# Allegro board 6089-119-RevB_08.brd (continued)
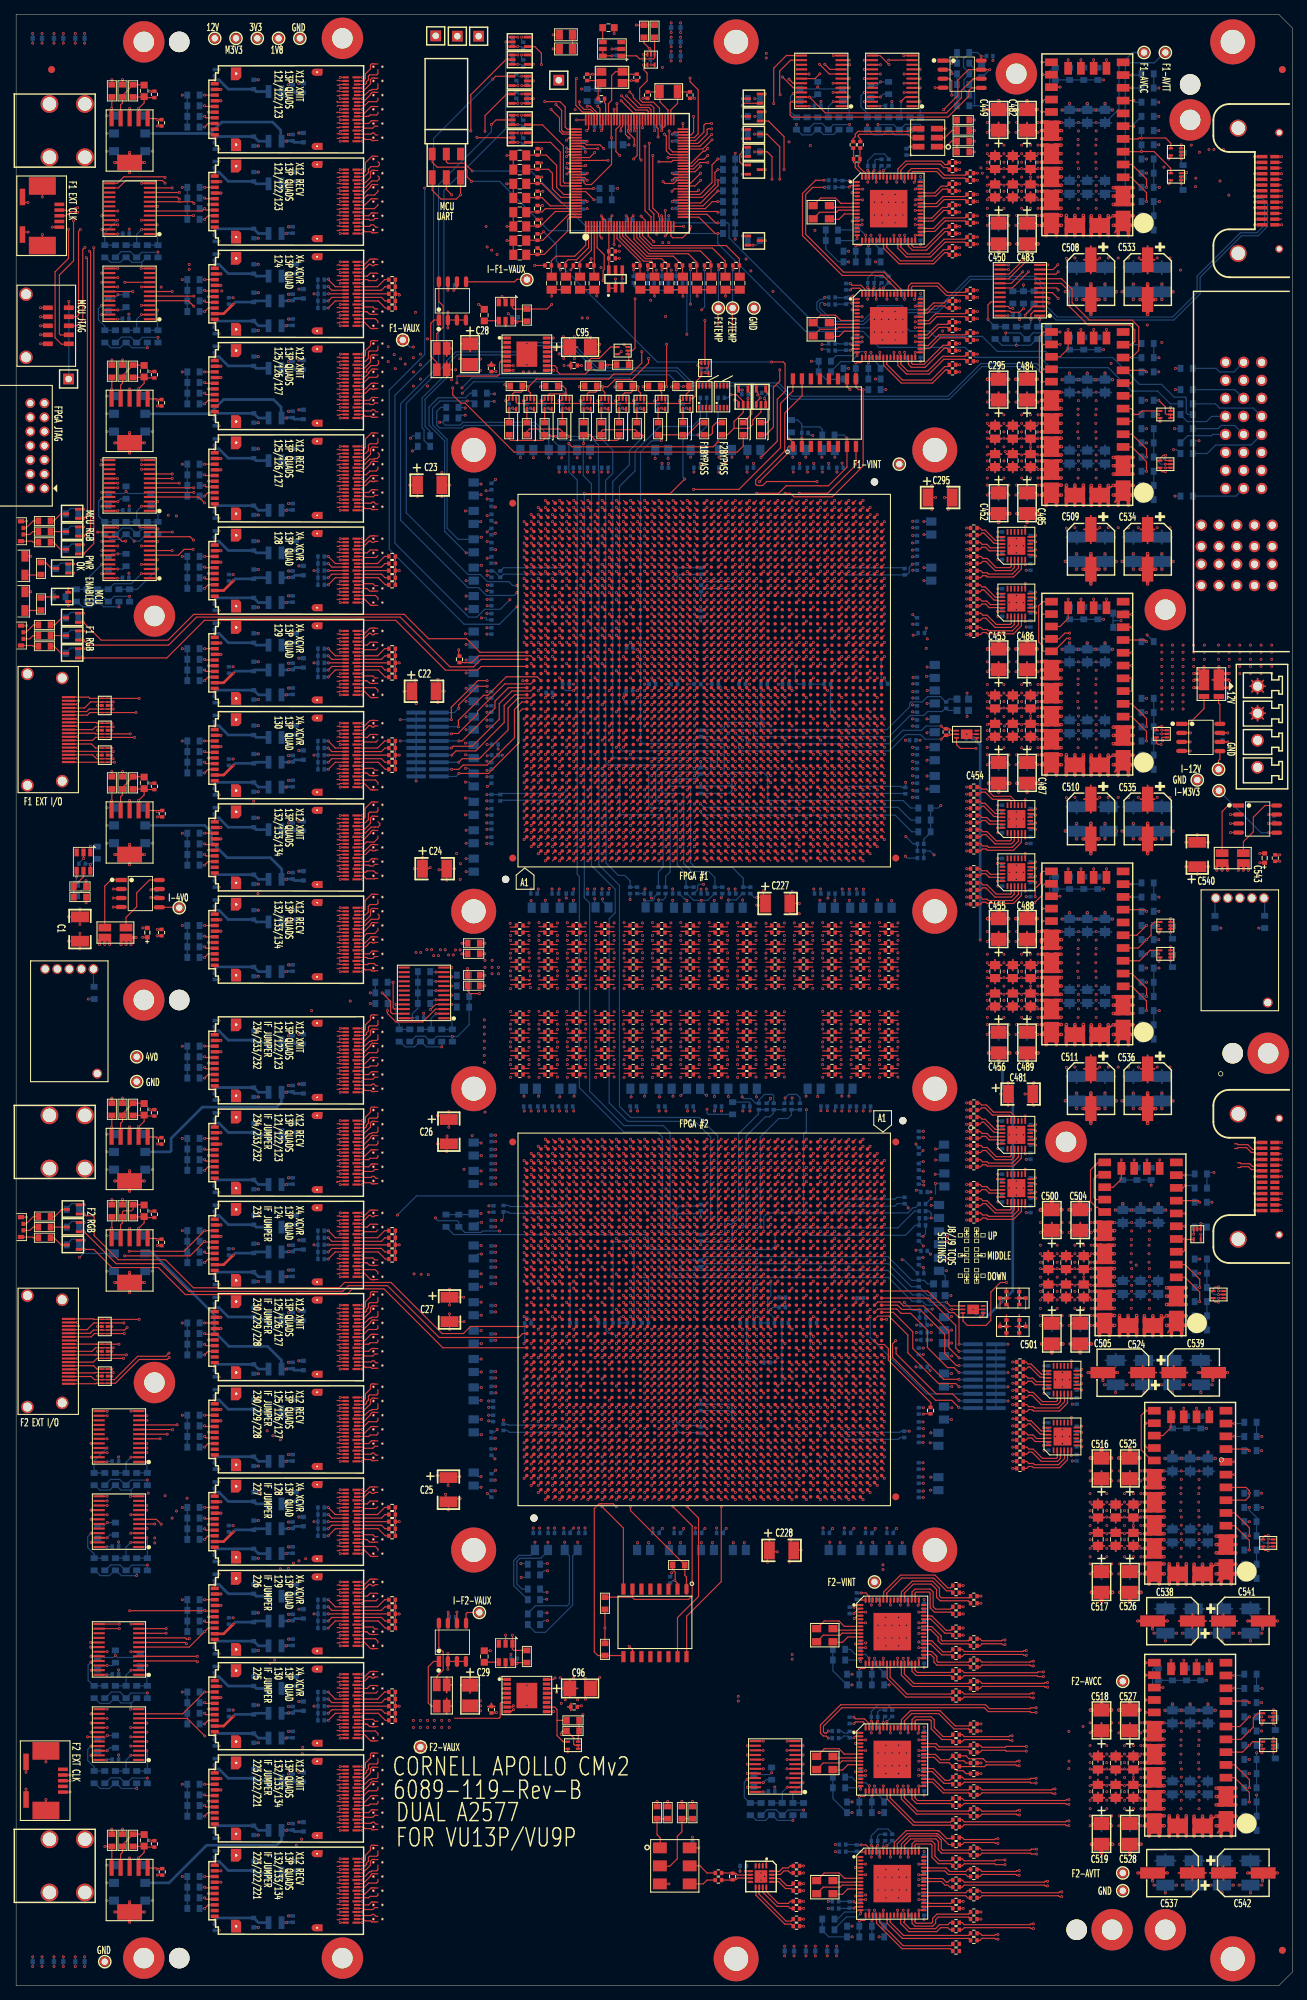
[diagram p0: board, top side]
## Routing (per net, layer and track width the routed paths; a pad name or vN(x,y) marks a point on that pad's centre or on a via; arc(x,y) is an arc through that point) (continued)
; VA19.3 50.04,227.72 ; 50.04,229.72 VA18.3 ; VA18.3 50.04,229.08 ; VA18.3 49.95,229.21 ; VA18.3 49.98,229.4 ; VA18.3 49.95,229.59 ; VA18.3 50.18,228.99 ; VA18.3 50.37,229.02 ; VA18.3 50.37,229.78 ; VA2.4 52.02,268.4 ; VA2.4 52.05,268.21 ; VA2.4 51.96,268.72 ; VA2.4 51.63,268.78 ; VA2.4 51.82,268.81 ; VA2.4 52.05,268.59 ; VA2.4 51.63,268.02 ; VA2.4 51.96,268.08 ; 49.95,208.21 VA28.3 ; VA28.3 50.37,208.02 ; VA28.3 50.37,208.78 ; VA28.3 50.18,207.99 ; VA28.3 50.04,208.08 ; VA28.3 49.98,208.4 ; VA28.3 50.04,208.72 ; VA28.3 49.95,208.59 ; 50.04,89.08 VA73.3 ; VA73.3 50.04,89.72 ; VA73.3 50.37,89.02 ; VA73.3 50.37,89.78 ; VA73.3 50.18,88.99 ; VA73.3 49.95,89.59 ; VA73.3 49.95,89.21 ; VA73.3 49.98,89.4 ; 50.37,36.52 VA91.4 ; VA91.4 49.98,36.9 ; VA91.4 50.18,36.49 ; VA91.4 49.95,37.09 ; VA91.4 50.04,36.58 ; VA91.4 50.37,37.28 ; VA91.4 49.95,36.71 ; VA91.4 50.04,37.22 ; 49.98,130.4 VA56.3 ; VA56.3 49.95,130.21 ; VA56.3 50.37,130.78 ; VA56.3 49.95,130.59 ; VA56.3 50.04,130.08 ; VA56.3 50.18,129.99 ; VA56.3 50.04,130.72 ; VA56.3 50.37,130.02 ; 50.04,99.58 VA68.4 ; VA68.4 50.18,99.49 ; VA68.4 50.37,99.52 ; VA68.4 49.95,100.09 ; VA68.4 49.95,99.71 ; VA68.4 50.04,100.22 ; VA68.4 50.37,100.28 ; VA68.4 49.98,99.9 ; VA9.4 51.96,253.08 ; VA9.4 52.05,253.21 ; VA9.4 52.02,253.4 ; VA9.4 51.63,253.02 ; VA9.4 51.96,253.72 ; VA9.4 52.05,253.59 ; VA9.4 51.82,253.81 ; VA9.4 51.63,253.78 ; 49.95,221.21 VA22.3 ; VA22.3 49.98,221.4 ; VA22.3 50.18,220.99 ; VA22.3 50.04,221.72 ; VA22.3 50.37,221.02 ; VA22.3 50.04,221.08 ; VA22.3 49.95,221.59 ; VA22.3 50.37,221.78 ; 50.37,32.02 VA93.3 ; VA93.3 50.37,32.78 ; VA93.3 50.18,31.99 ; VA93.3 49.95,32.21 ; VA93.3 49.98,32.4 ; VA93.3 50.04,32.08 ; VA93.3 50.04,32.72 ; VA93.3 49.95,32.59 ; VA57.4 51.82,128.81 ; VA57.4 52.02,128.4 ; VA57.4 51.96,128.72 ; VA57.4 52.05,128.59 ; VA57.4 51.63,128.78 ; VA57.4 51.63,128.02 ; VA57.4 51.96,128.08 ; VA57.4 52.05,128.21 ; VA42.4 51.96,164.72 ; VA42.4 52.05,164.21 ; VA42.4 51.96,164.08 ; VA42.4 51.63,164.02 ; VA42.4 52.02,164.4 ; VA42.4 52.05,164.59 ; VA42.4 51.63,164.78 ; VA42.4 51.82,164.81 ; 51.63,229.02 VA18.4 ; VA18.4 52.05,229.59 ; VA18.4 51.96,229.08 ; VA18.4 51.96,229.72 ; VA18.4 51.63,229.78 ; VA18.4 52.02,229.4 ; VA18.4 52.05,229.21 ; VA18.4 51.82,229.81 ; 50.37,22.02 VA98.3 ; VA98.3 50.04,22.72 ; VA98.3 49.95,22.59 ; VA98.3 49.95,22.21 ; VA98.3 49.98,22.4 ; VA98.3 50.18,21.99 ; VA98.3 50.37,22.78 ; VA98.3 50.04,22.08 ; VA43.3 50.37,162.78 ; VA43.3 50.18,161.99 ; VA43.3 50.37,162.02 ; VA43.3 49.95,162.21 ; VA43.3 49.95,162.59 ; VA43.3 49.98,162.4 ; VA43.3 50.04,162.72 ; VA43.3 50.04,162.08 ; 49.98,233.9 VA16.4 ; VA16.4 49.95,234.09 ; VA16.4 50.37,234.28 ; VA16.4 50.04,234.22 ; VA16.4 50.04,233.58 ; VA16.4 50.18,233.49 ; VA16.4 50.37,233.52 ; VA16.4 49.95,233.71 ; 50.04,216.72 VA24.3 ; VA24.3 50.04,216.08 ; VA24.3 49.98,216.4 ; VA24.3 50.37,216.02 ; VA24.3 50.37,216.78 ; VA24.3 49.95,216.21 ; VA24.3 50.18,215.99 ; VA24.3 49.95,216.59 ; VA33.4 51.96,190.58 ; VA33.4 52.02,190.9 ; VA33.4 51.63,191.28 ; VA33.4 52.05,190.71 ; VA33.4 51.63,190.52 ; VA33.4 51.96,191.22 ; VA33.4 51.82,191.31 ; VA33.4 52.05,191.09 ; VA29.4 51.96,204.22 ; VA29.4 52.05,203.71 ; VA29.4 52.05,204.09 ; VA29.4 51.82,204.31 ; VA29.4 51.63,203.52 ; VA29.4 51.63,204.28 ; VA29.4 51.96,203.58 ; VA29.4 52.02,203.9 ; VA99.4 52.05,19.21 ; VA99.4 51.96,19.08 ; VA99.4 52.02,19.4 ; VA99.4 51.63,19.78 ; VA99.4 51.82,19.81 ; VA99.4 52.05,19.59 ; VA99.4 51.96,19.72 ; VA99.4 51.63,19.02 ; VA104.4 51.82,9.81 ; VA104.4 51.63,9.78 ; VA104.4 51.63,9.02 ; VA104.4 52.05,9.59 ; VA104.4 52.05,9.21 ; VA104.4 51.96,9.08 ; VA104.4 52.02,9.4 ; VA104.4 51.96,9.72 ; VA16.3 51.96,233.58 ; VA16.3 51.96,234.22 ; VA16.3 52.02,233.9 ; VA16.3 51.63,234.28 ; VA16.3 51.63,233.52 ; VA16.3 52.05,234.09 ; VA16.3 51.82,234.31 ; VA16.3 52.05,233.71 ; VA21.3 50.37,223.78 ; VA21.3 49.95,223.59 ; VA21.3 50.04,223.08 ; VA21.3 49.95,223.21 ; VA21.3 50.04,223.72 ; VA21.3 49.98,223.4 ; VA21.3 50.18,222.99 ; VA21.3 50.37,223.02 ; VA40.3 51.96,168.58 ; VA40.3 52.05,169.09 ; VA40.3 52.05,168.71 ; VA40.3 51.63,169.28 ; VA40.3 52.02,168.9 ; VA40.3 51.82,169.31 ; VA40.3 51.63,168.52 ; VA40.3 51.96,169.22 ; 49.95,19.21 VA99.3 ; VA99.3 50.04,19.08 ; VA99.3 50.04,19.72 ; VA99.3 50.37,19.78 ; VA99.3 49.98,19.4 ; VA99.3 49.95,19.59 ; VA99.3 50.37,19.02 ; VA99.3 50.18,18.99 ; 5.43,184.26 J5.22 ; J5.22 7.31,185.07 ; J5.22 6.5,185.33 ; J5.22 6.5,183.2 ; J5.22 7.31,183.46 ; J5.22 5.69,185.07 ; J5.22 5.69,183.46 ; J5.22 7.57,184.26 ; 49.95,204.09 VA29.3 ; VA29.3 50.37,204.28 ; VA29.3 50.04,203.58 ; VA29.3 50.04,204.22 ; VA29.3 50.37,203.52 ; VA29.3 50.18,203.49 ; VA29.3 49.98,203.9 ; VA29.3 49.95,203.71 ; VA61.4 52.05,119.21 ; VA61.4 51.82,119.81 ; VA61.4 52.05,119.59 ; VA61.4 52.02,119.4 ; VA61.4 51.96,119.72 ; VA61.4 51.63,119.02 ; VA61.4 51.63,119.78 ; VA61.4 51.96,119.08 ; 49.95,134.21 VA54.3 ; VA54.3 50.18,133.99 ; VA54.3 50.04,134.08 ; VA54.3 50.04,134.72 ; VA54.3 49.98,134.4 ; VA54.3 50.37,134.78 ; VA54.3 49.95,134.59 ; VA54.3 50.37,134.02 ; 49.98,106.9 VA66.3 ; VA66.3 50.04,107.22 ; VA66.3 49.95,107.09 ; VA66.3 50.04,106.58 ; VA66.3 50.37,106.52 ; VA66.3 50.18,106.49 ; VA66.3 50.37,107.28 ; VA66.3 49.95,106.71 ; VA89.4 52.05,44.09 ; VA89.4 51.96,43.58 ; VA89.4 51.63,43.52 ; VA89.4 51.96,44.22 ; VA89.4 51.82,44.31 ; VA89.4 52.02,43.9 ; VA89.4 51.63,44.28 ; VA89.4 52.05,43.71 ; VA17.4 51.96,231.72 ; VA17.4 51.63,231.02 ; VA17.4 51.82,231.81 ; VA17.4 52.05,231.59 ; VA17.4 51.96,231.08 ; VA17.4 51.63,231.78 ; VA17.4 52.02,231.4 ; VA17.4 52.05,231.21 ; 50.37,181.52 VA36.4 ; VA36.4 49.95,182.09 ; VA36.4 50.04,182.22 ; VA36.4 50.18,181.49 ; VA36.4 49.98,181.9 ; VA36.4 49.95,181.71 ; VA36.4 50.37,182.28 ; VA36.4 50.04,181.58 ; VA20.4 51.96,225.08 ; VA20.4 51.63,225.78 ; VA20.4 51.96,225.72 ; VA20.4 52.05,225.59 ; VA20.4 52.02,225.4 ; VA20.4 51.82,225.81 ; VA20.4 52.05,225.21 ; VA20.4 51.63,225.02 ; VA54.4 51.63,134.78 ; VA54.4 51.96,134.08 ; VA54.4 51.82,134.81 ; VA54.4 52.02,134.4 ; VA54.4 52.05,134.21 ; VA54.4 51.63,134.02 ; VA54.4 51.96,134.72 ; VA54.4 52.05,134.59 ; VA10.4 52.05,251.21 ; VA10.4 51.63,251.78 ; VA10.4 51.63,251.02 ; VA10.4 52.02,251.4 ; VA10.4 52.05,251.59 ; VA10.4 51.96,251.72 ; VA10.4 51.82,251.81 ; VA10.4 51.96,251.08 ; 49.95,160.59 VA44.3 ; VA44.3 50.37,160.78 ; VA44.3 49.98,160.4 ; VA44.3 50.18,159.99 ; VA44.3 50.04,160.08 ; VA44.3 49.95,160.21 ; VA44.3 50.37,160.02 ; VA44.3 50.04,160.72 ; VA95.4 51.63,28.78 ; VA95.4 51.96,28.72 ; VA95.4 51.63,28.02 ; VA95.4 52.02,28.4 ; VA95.4 52.05,28.59 ; VA95.4 51.96,28.08 ; VA95.4 52.05,28.21 ; VA95.4 51.82,28.81 ; 50.18,12.99 VA102.3 ; VA102.3 49.98,13.4 ; VA102.3 50.37,13.78 ; VA102.3 50.04,13.72 ; VA102.3 50.37,13.02 ; VA102.3 49.95,13.59 ; VA102.3 50.04,13.08 ; VA102.3 49.95,13.21 ; 50.04,164.08 VA42.3 ; VA42.3 49.95,164.21 ; VA42.3 49.95,164.59 ; VA42.3 50.04,164.72 ; VA42.3 50.37,164.02 ; VA42.3 49.98,164.4 ; VA42.3 50.37,164.78 ; VA42.3 50.18,163.99 ; 50.04,115.08 VA63.3 ; VA63.3 50.37,115.02 ; VA63.3 49.95,115.59 ; VA63.3 49.95,115.21 ; VA63.3 50.37,115.78 ; VA63.3 50.18,114.99 ; VA63.3 49.98,115.4 ; VA63.3 50.04,115.72 ; VA19.4 51.82,227.81 ; VA19.4 52.05,227.59 ; VA19.4 52.02,227.4 ; VA19.4 51.63,227.78 ; VA19.4 51.96,227.72 ; VA19.4 51.96,227.08 ; VA19.4 51.63,227.02 ; VA19.4 52.05,227.21 ; 49.98,268.4 VA2.3 ; VA2.3 50.04,268.72 ; VA2.3 50.18,267.99 ; VA2.3 50.04,268.08 ; VA2.3 49.95,268.21 ; VA2.3 49.95,268.59 ; VA2.3 50.37,268.02 ; VA2.3 50.37,268.78 ; 49.98,166.4 VA41.3 ; VA41.3 49.95,166.59 ; VA41.3 50.18,165.99 ; VA41.3 49.95,166.21 ; VA41.3 50.04,166.08 ; VA41.3 50.37,166.78 ; VA41.3 50.04,166.72 ; VA41.3 50.37,166.02 ; 50.37,247.02 VA12.3 ; VA12.3 49.95,247.59 ; VA12.3 50.04,247.08 ; VA12.3 49.98,247.4 ; VA12.3 50.18,246.99 ; VA12.3 50.37,247.78 ; VA12.3 50.04,247.72 ; VA12.3 49.95,247.21 ; VA36.3 52.05,181.71 ; VA36.3 52.05,182.09 ; VA36.3 51.96,182.22 ; VA36.3 52.02,181.9 ; VA36.3 51.82,182.31 ; VA36.3 51.96,181.58 ; VA36.3 51.63,181.52 ; VA36.3 51.63,182.28 ; VA5.4 52.02,262.4 ; VA5.4 51.96,262.72 ; VA5.4 51.63,262.78 ; VA5.4 51.63,262.02 ; VA5.4 51.96,262.08 ; VA5.4 51.82,262.81 ; VA5.4 52.05,262.21 ; VA5.4 52.05,262.59 ; 49.95,225.59 VA20.3 ; VA20.3 49.98,225.4 ; VA20.3 49.95,225.21 ; VA20.3 50.18,224.99 ; VA20.3 50.04,225.08 ; VA20.3 50.37,225.02 ; VA20.3 50.04,225.72 ; VA20.3 50.37,225.78 ; VA75.4 51.96,84.72 ; VA75.4 51.63,84.02 ; VA75.4 52.05,84.21 ; VA75.4 51.63,84.78 ; VA75.4 52.02,84.4 ; VA75.4 52.05,84.59 ; VA75.4 51.82,84.81 ; VA75.4 51.96,84.08 ; VA34.4 52.02,188.9 ; VA34.4 51.96,189.22 ; VA34.4 51.82,189.31 ; VA34.4 51.96,188.58 ; VA34.4 52.05,188.71 ; VA34.4 51.63,188.52 ; VA34.4 51.63,189.28 ; VA34.4 52.05,189.09 ; VA80.4 51.63,74.78 ; VA80.4 51.82,74.81 ; VA80.4 52.02,74.4 ; VA80.4 51.96,74.08 ; VA80.4 51.63,74.02 ; VA80.4 51.96,74.72 ; VA80.4 52.05,74.59 ; VA80.4 52.05,74.21 ; VA103.4 51.82,11.81 ; VA103.4 51.96,11.08 ; VA103.4 52.02,11.4 ; VA103.4 51.63,11.02 ; VA103.4 52.05,11.21 ; VA103.4 51.63,11.78 ; VA103.4 51.96,11.72 ; VA103.4 52.05,11.59 ; 50.18,194.49 VA32.4 ; VA32.4 50.37,195.28 ; VA32.4 49.98,194.9 ; VA32.4 49.95,194.71 ; VA32.4 50.04,194.58 ; VA32.4 50.04,195.22 ; VA32.4 49.95,195.09 ; VA32.4 50.37,194.52 ; J6.23 2.66,97.25 ; J6.23 1.6,96.18 ; J6.23 1.6,98.32 ; J6.23 2.05,98.29 ; J6.23 1.15,96.2 ; J6.23 2.64,97.7 ; J6.23 2.4,96.44 ; J6.23 2.4,98.05 ; 50.18,252.99 VA9.3 ; VA9.3 49.95,253.59 ; VA9.3 50.37,253.78 ; VA9.3 50.04,253.72 ; VA9.3 49.95,253.21 ; VA9.3 50.04,253.08 ; VA9.3 50.37,253.02 ; VA9.3 49.98,253.4 ; 50.04,212.08 VA26.3 ; VA26.3 49.95,212.59 ; VA26.3 49.98,212.4 ; VA26.3 50.37,212.78 ; VA26.3 49.95,212.21 ; VA26.3 50.37,212.02 ; VA26.3 50.18,211.99 ; VA26.3 50.04,212.72 ; VA46.4 51.63,156.78 ; VA46.4 51.96,156.72 ; VA46.4 51.96,156.08 ; VA46.4 52.05,156.59 ; VA46.4 51.63,156.02 ; VA46.4 51.82,156.81 ; VA46.4 52.02,156.4 ; VA46.4 52.05,156.21 ; 50.04,132.72 VA55.3 ; VA55.3 49.95,132.21 ; VA55.3 49.98,132.4 ; VA55.3 49.95,132.59 ; VA55.3 50.04,132.08 ; VA55.3 50.37,132.02 ; VA55.3 50.37,132.78 ; VA55.3 50.18,131.99 ; 49.95,145.59 VA51.3 ; VA51.3 50.04,145.72 ; VA51.3 49.98,145.4 ; VA51.3 50.37,145.02 ; VA51.3 49.95,145.21 ; VA51.3 50.04,145.08 ; VA51.3 50.18,144.99 ; VA51.3 50.37,145.78 ; VA92.3 51.96,34.58 ; VA92.3 52.02,34.9 ; VA92.3 51.82,35.31 ; VA92.3 52.05,34.71 ; VA92.3 51.96,35.22 ; VA92.3 51.63,34.52 ; VA92.3 52.05,35.09 ; VA92.3 51.63,35.28 ; 51.63,183.52 VA35.3 ; VA35.3 51.96,184.22 ; VA35.3 52.05,183.71 ; VA35.3 52.05,184.09 ; VA35.3 51.82,184.31 ; VA35.3 51.63,184.28 ; VA35.3 51.96,183.58 ; VA35.3 52.02,183.9 ; J6.22 7.31,97.47 ; J6.22 5.69,95.86 ; J6.22 7.57,96.66 ; J6.22 6.5,97.73 ; J6.22 6.5,95.6 ; J6.22 7.31,95.86 ; J6.22 5.69,97.47 ; J6.22 5.43,96.66 ; VA87.3 51.96,49.58 ; VA87.3 51.63,49.52 ; VA87.3 51.63,50.28 ; VA87.3 51.96,50.22 ; VA87.3 52.05,50.09 ; VA87.3 52.05,49.71 ; VA87.3 52.02,49.9 ; VA87.3 51.82,50.31 ; 1.6,80.48 J6.20 ; J6.20 2.4,80.75 ; J6.20 1.6,82.62 ; J6.20 2.4,82.36 ; J6.20 2.66,81.55 ; J6.20 1.15,80.51 ; J6.20 2.05,82.6 ; J6.20 2.64,82 ; VA98.4 51.63,22.78 ; VA98.4 52.02,22.4 ; VA98.4 52.05,22.21 ; VA98.4 51.96,22.08 ; VA98.4 51.63,22.02 ; VA98.4 51.96,22.72 ; VA98.4 51.82,22.81 ; VA98.4 52.05,22.59 ; VA56.4 51.63,130.78 ; VA56.4 51.63,130.02 ; VA56.4 51.96,130.08 ; VA56.4 52.05,130.59 ; VA56.4 52.02,130.4 ; VA56.4 52.05,130.21 ; VA56.4 51.96,130.72 ; VA56.4 51.82,130.81 ; VA28.4 51.96,208.72 ; VA28.4 51.82,208.81 ; VA28.4 51.96,208.08 ; VA28.4 51.63,208.78 ; VA28.4 52.05,208.21 ; VA28.4 52.05,208.59 ; VA28.4 52.02,208.4 ; VA28.4 51.63,208.02 ; 50.04,70.22 VA81.3 ; VA81.3 50.18,69.49 ; VA81.3 49.95,70.09 ; VA81.3 50.37,69.52 ; VA81.3 50.04,69.58 ; VA81.3 49.95,69.71 ; VA81.3 50.37,70.28 ; VA81.3 49.98,69.9 ; 51.63,177.52 VA37.4 ; VA37.4 52.05,177.71 ; VA37.4 51.96,178.22 ; VA37.4 51.82,178.31 ; VA37.4 51.96,177.58 ; VA37.4 51.63,178.28 ; VA37.4 52.05,178.09 ; VA37.4 52.02,177.9 ; 1.6,183.78 J5.23 ; J5.23 1.6,185.92 ; J5.23 2.64,185.3 ; J5.23 2.4,184.04 ; J5.23 1.15,183.8 ; J5.23 2.4,185.65 ; J5.23 2.05,185.89 ; J5.23 2.66,184.85 ; 50.04,210.08 VA27.3 ; VA27.3 50.18,209.99 ; VA27.3 50.04,210.72 ; VA27.3 49.98,210.4 ; VA27.3 49.95,210.59 ; VA27.3 50.37,210.78 ; VA27.3 49.95,210.21 ; VA27.3 50.37,210.02 ; PM16.1 104,237.28 ; PM16.1 103.33,237.07 ; PM16.1 104.67,237.07 ; PM16.1 104.88,236.4 ; PM16.1 104.67,235.73 ; PM16.1 104,235.52 ; PM16.1 103.12,236.4 ; PM16.1 103.33,235.73 ; 49.98,43.9 VA89.3 ; VA89.3 50.37,43.52 ; VA89.3 50.04,44.22 ; VA89.3 50.37,44.28 ; VA89.3 50.04,43.58 ; VA89.3 49.95,44.09 ; VA89.3 49.95,43.71 ; VA89.3 50.18,43.49 ; VA103.3 50.37,11.78 ; VA103.3 50.04,11.72 ; VA103.3 49.95,11.21 ; VA103.3 50.18,10.99 ; VA103.3 50.37,11.02 ; VA103.3 49.95,11.59 ; VA103.3 50.04,11.08 ; VA103.3 49.98,11.4 ; 51.63,210.02 VA27.4 ; VA27.4 52.05,210.59 ; VA27.4 51.96,210.72 ; VA27.4 52.05,210.21 ; VA27.4 51.96,210.08 ; VA27.4 52.02,210.4 ; VA27.4 51.63,210.78 ; VA27.4 51.82,210.81 ; 51.63,99.52 VA68.3 ; VA68.3 51.82,100.31 ; VA68.3 52.02,99.9 ; VA68.3 51.96,99.58 ; VA68.3 52.05,99.71 ; VA68.3 51.96,100.22 ; VA68.3 51.63,100.28 ; VA68.3 52.05,100.09 ; VA96.4 51.96,26.08 ; VA96.4 51.63,26.02 ; VA96.4 51.96,26.72 ; VA96.4 52.02,26.4 ; VA96.4 52.05,26.21 ; VA96.4 51.63,26.78 ; VA96.4 52.05,26.59 ; VA96.4 51.82,26.81 ; VA14.4 51.63,241.28 ; VA14.4 52.05,241.09 ; VA14.4 51.63,240.52 ; VA14.4 51.96,241.22 ; VA14.4 51.82,241.31 ; VA14.4 51.96,240.58 ; VA14.4 52.05,240.71 ; VA14.4 52.02,240.9 ; VA73.4 51.63,89.78 ; VA73.4 51.96,89.72 ; VA73.4 52.05,89.21 ; VA73.4 51.96,89.08 ; VA73.4 52.02,89.4 ; VA73.4 52.05,89.59 ; VA73.4 51.82,89.81 ; VA73.4 51.63,89.02 ; 50.18,77.99 VA78.3 ; VA78.3 50.37,78.78 ; VA78.3 50.37,78.02 ; VA78.3 50.04,78.72 ; VA78.3 49.98,78.4 ; VA78.3 49.95,78.59 ; VA78.3 50.04,78.08 ; VA78.3 49.95,78.21 ; 50.04,17.72 VA100.3 ; VA100.3 50.37,17.78 ; VA100.3 50.18,16.99 ; VA100.3 49.98,17.4 ; VA100.3 49.95,17.59 ; VA100.3 49.95,17.21 ; VA100.3 50.04,17.08 ; VA100.3 50.37,17.02 ; VA83.4 50.37,63.28 ; VA83.4 49.95,63.09 ; VA83.4 50.37,62.52 ; VA83.4 49.98,62.9 ; VA83.4 50.04,62.58 ; VA83.4 50.18,62.49 ; VA83.4 50.04,63.22 ; VA83.4 49.95,62.71 ; 49.95,214.59 VA25.3 ; VA25.3 49.95,214.21 ; VA25.3 50.04,214.08 ; VA25.3 49.98,214.4 ; VA25.3 50.37,214.02 ; VA25.3 50.18,213.99 ; VA25.3 50.37,214.78 ; VA25.3 50.04,214.72 ; VA82.4 52.02,67.9 ; VA82.4 51.63,68.28 ; VA82.4 51.82,68.31 ; VA82.4 51.63,67.52 ; VA82.4 51.96,67.58 ; VA82.4 52.05,67.71 ; VA82.4 51.96,68.22 ; VA82.4 52.05,68.09 ; 51.63,30.02 VA94.4 ; VA94.4 52.05,30.21 ; VA94.4 52.02,30.4 ; VA94.4 51.63,30.78 ; VA94.4 51.96,30.08 ; VA94.4 51.96,30.72 ; VA94.4 52.05,30.59 ; VA94.4 51.82,30.81 ; VA48.4 51.96,151.72 ; VA48.4 51.63,151.78 ; VA48.4 51.96,151.08 ; VA48.4 52.05,151.21 ; VA48.4 52.02,151.4 ; VA48.4 51.63,151.02 ; VA48.4 51.82,151.81 ; VA48.4 52.05,151.59 ; VA50.4 52.05,147.59 ; VA50.4 51.82,147.81 ; VA50.4 51.63,147.02 ; VA50.4 51.96,147.72 ; VA50.4 52.05,147.21 ; VA50.4 51.63,147.78 ; VA50.4 52.02,147.4 ; VA50.4 51.96,147.08 ; 50.04,128.08 VA57.3 ; VA57.3 49.98,128.4 ; VA57.3 50.18,127.99 ; VA57.3 50.37,128.78 ; VA57.3 50.37,128.02 ; VA57.3 50.04,128.72 ; VA57.3 49.95,128.21 ; VA57.3 49.95,128.59 ; 51.63,257.02 VA7.4 ; VA7.4 51.82,257.81 ; VA7.4 51.96,257.72 ; VA7.4 52.05,257.59 ; VA7.4 51.63,257.78 ; VA7.4 52.05,257.21 ; VA7.4 52.02,257.4 ; VA7.4 51.96,257.08 ; J5.20 2.05,170.2 ; J5.20 2.4,169.96 ; J5.20 2.64,169.6 ; J5.20 2.4,168.35 ; J5.20 2.66,169.15 ; J5.20 1.15,168.11 ; J5.20 1.6,168.08 ; J5.20 1.6,170.22 ; PM21.1 156,14.28 ; PM21.1 155.33,14.07 ; PM21.1 156.67,14.07 ; PM21.1 156.88,13.4 ; PM21.1 155.33,12.73 ; PM21.1 155.12,13.4 ; PM21.1 156.67,12.73 ; PM21.1 156,12.52 ; VA104.3 50.37,9.78 ; VA104.3 49.95,9.21 ; VA104.3 49.98,9.4 ; VA104.3 50.04,9.08 ; VA104.3 50.18,8.99 ; VA104.3 50.37,9.02 ; VA104.3 50.04,9.72 ; VA104.3 49.95,9.59 ; VA22.4 52.05,221.59 ; VA22.4 51.96,221.72 ; VA22.4 51.82,221.81 ; VA22.4 51.63,221.02 ; VA22.4 52.02,221.4 ; VA22.4 51.96,221.08 ; VA22.4 52.05,221.21 ; VA22.4 51.63,221.78 ; 50.18,265.99 VA3.3 ; VA3.3 50.04,266.08 ; VA3.3 49.98,266.4 ; VA3.3 49.95,266.59 ; VA3.3 50.37,266.78 ; VA3.3 50.37,266.02 ; VA3.3 50.04,266.72 ; VA3.3 49.95,266.21 ; VA76.4 52.05,82.21 ; VA76.4 52.02,82.4 ; VA76.4 51.96,82.72 ; VA76.4 51.96,82.08 ; VA76.4 51.63,82.02 ; VA76.4 52.05,82.59 ; VA76.4 51.63,82.78 ; VA76.4 51.82,82.81 ; VA55.4 51.82,132.81 ; VA55.4 51.63,132.02 ; VA55.4 52.05,132.59 ; VA55.4 51.96,132.72 ; VA55.4 51.63,132.78 ; VA55.4 52.02,132.4 ; VA55.4 52.05,132.21 ; VA55.4 51.96,132.08 ; 50.18,29.99 VA94.3 ; VA94.3 50.37,30.02 ; VA94.3 50.37,30.78 ; VA94.3 49.95,30.59 ; VA94.3 50.04,30.08 ; VA94.3 50.04,30.72 ; VA94.3 49.95,30.21 ; VA94.3 49.98,30.4 ; 50.04,147.72 VA50.3 ; VA50.3 50.37,147.78 ; VA50.3 50.37,147.02 ; VA50.3 50.04,147.08 ; VA50.3 49.95,147.59 ; VA50.3 49.98,147.4 ; VA50.3 49.95,147.21 ; VA50.3 50.18,146.99 ; 49.95,74.59 VA80.3 ; VA80.3 50.37,74.02 ; VA80.3 49.95,74.21 ; VA80.3 49.98,74.4 ; VA80.3 50.04,74.08 ; VA80.3 50.37,74.78 ; VA80.3 50.18,73.99 ; VA80.3 50.04,74.72 ; 49.95,191.09 VA33.3 ; VA33.3 50.04,191.22 ; VA33.3 50.18,190.49 ; VA33.3 50.37,190.52 ; VA33.3 49.95,190.71 ; VA33.3 50.37,191.28 ; VA33.3 50.04,190.58 ; VA33.3 49.98,190.9 ; VA70.4 51.82,95.81 ; VA70.4 52.02,95.4 ; VA70.4 52.05,95.59 ; VA70.4 51.96,95.72 ; VA70.4 51.63,95.02 ; VA70.4 51.63,95.78 ; VA70.4 52.05,95.21 ; VA70.4 51.96,95.08 ; 51.63,260.02 VA6.4 ; VA6.4 51.96,260.72 ; VA6.4 51.82,260.81 ; VA6.4 51.63,260.78 ; VA6.4 51.96,260.08 ; VA6.4 52.05,260.59 ; VA6.4 52.02,260.4 ; VA6.4 52.05,260.21 ; 51.63,117.02 VA62.4 ; VA62.4 52.05,117.59 ; VA62.4 51.63,117.78 ; VA62.4 52.02,117.4 ; VA62.4 51.82,117.81 ; VA62.4 52.05,117.21 ; VA62.4 51.96,117.08 ; VA62.4 51.96,117.72 ; VA97.4 52.05,24.21 ; VA97.4 52.02,24.4 ; VA97.4 51.96,24.72 ; VA97.4 51.63,24.02 ; VA97.4 51.82,24.81 ; VA97.4 51.63,24.78 ; VA97.4 51.96,24.08 ; VA97.4 52.05,24.59 ; 51.63,41.52 VA90.4 ; VA90.4 52.02,41.9 ; VA90.4 52.05,42.09 ; VA90.4 52.05,41.71 ; VA90.4 51.82,42.31 ; VA90.4 51.96,42.22 ; VA90.4 51.96,41.58 ; VA90.4 51.63,42.28